# Allegro board T736_DEMO_CORE_AXP8191_LP4_4X_32X1_V0_5-draft.brd (continued)
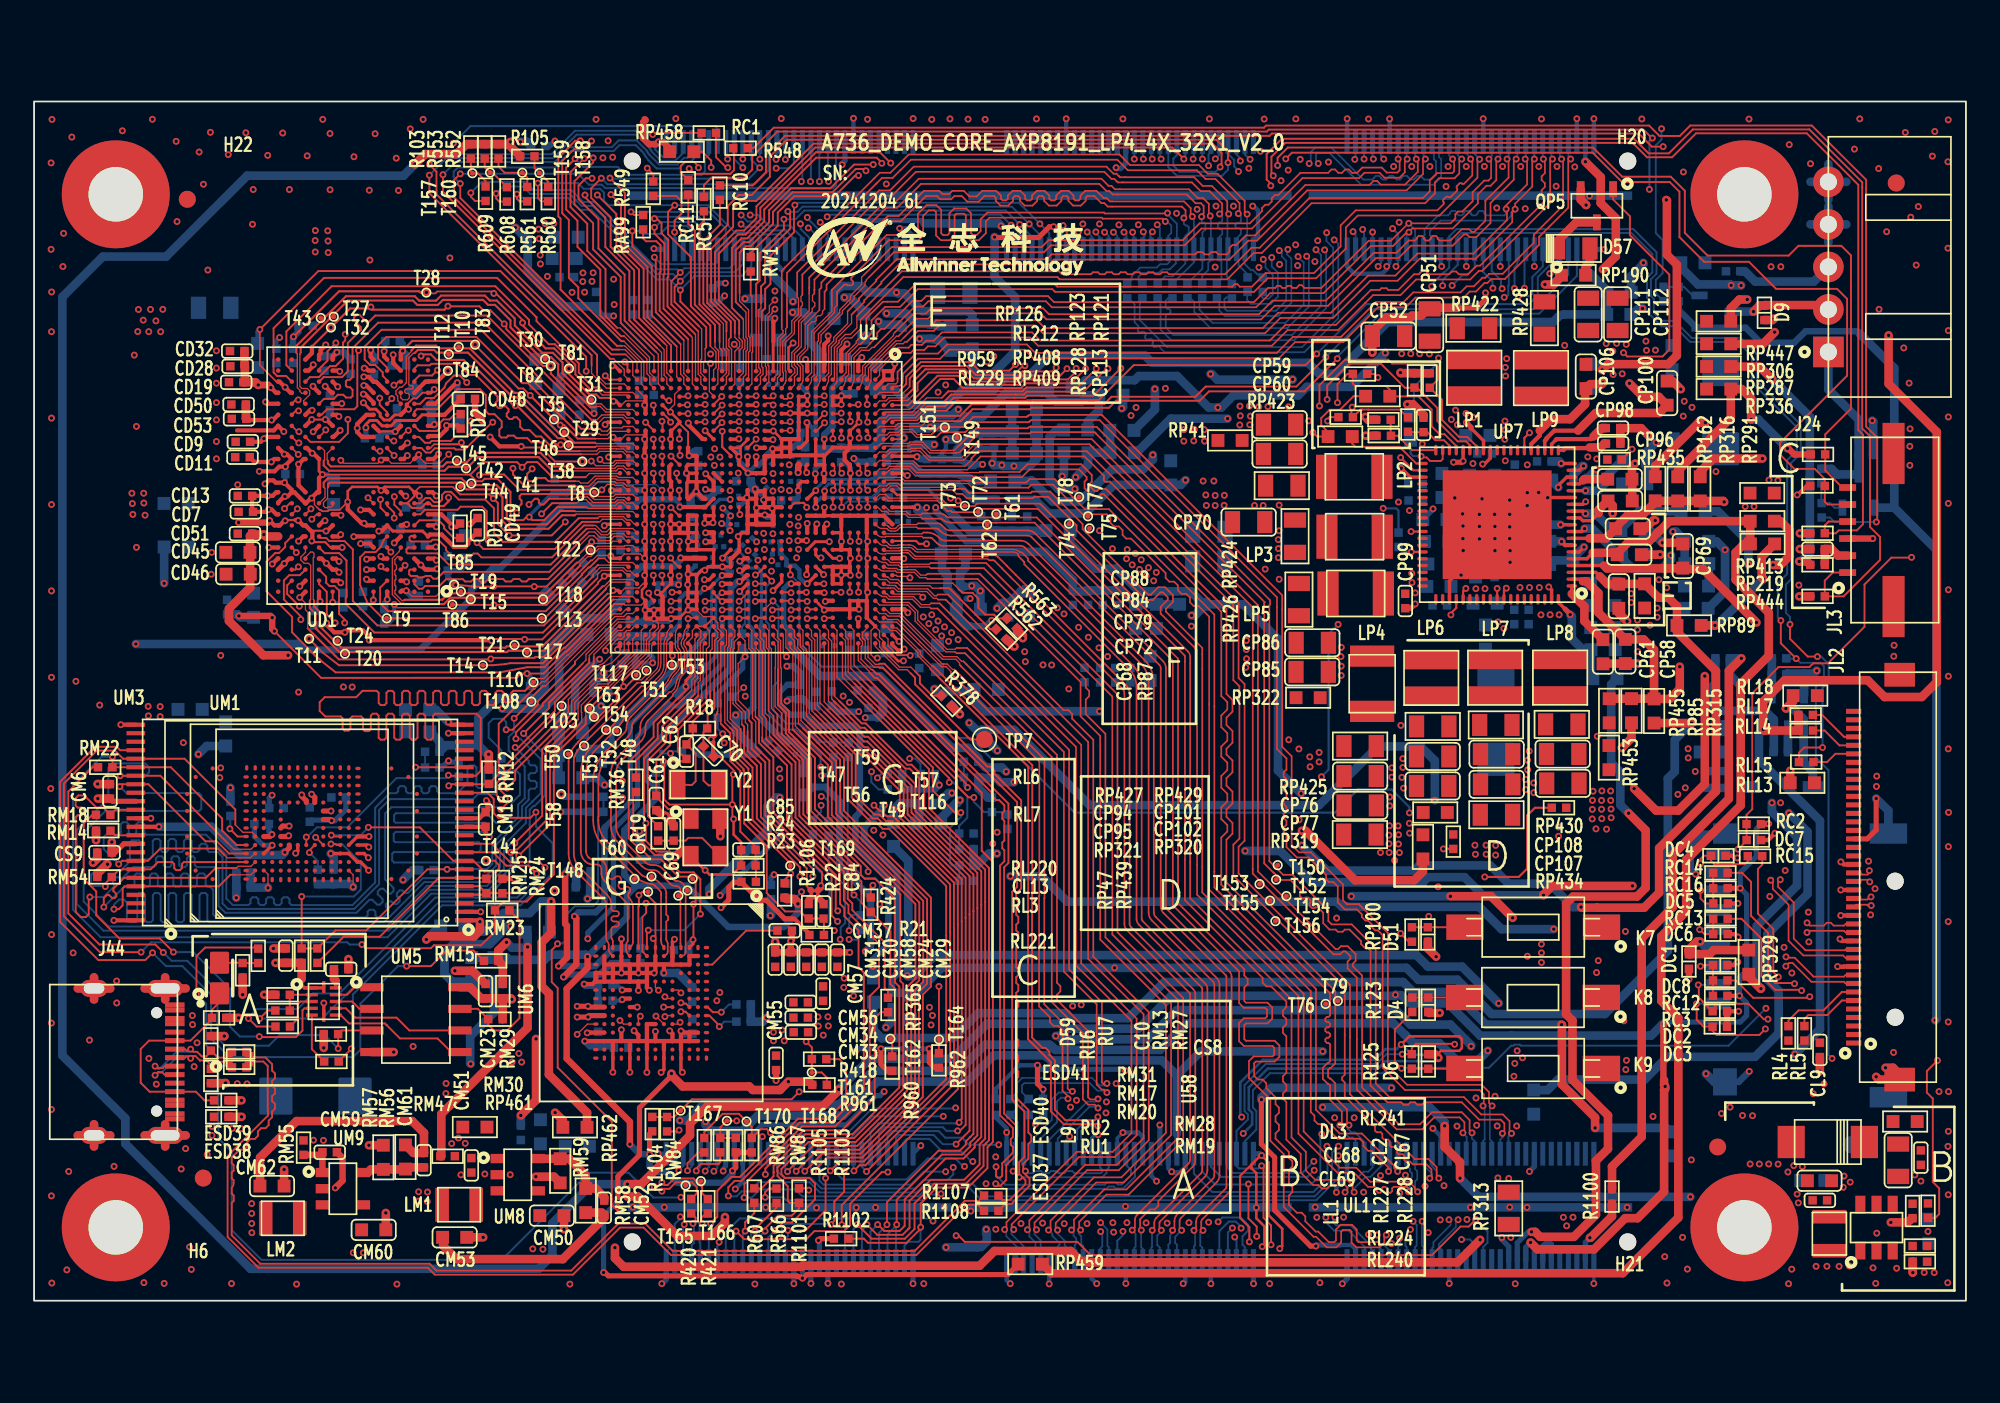
[diagram p0: board, top side]
## Copper pours and planes (outline as drawn; the poured copper is in the pictures) (continued)
N21636269 on BOTTOM: 21.79,6.87 21.79,5.65 22.21,5.23 28.73,5.23 31.75,8.25 31.75,9.51 31.57,9.69 26.87,9.69 25.07,7.9 22.82,7.9
N21636444 on TOP: 25.65,6.73 27.59,6.73 27.65,6.66 27.65,5.02 27.26,4.63 25.62,4.63 25.55,4.7 25.55,6.62
N21636500 on TOP: 24.61,8.86 27.47,8.86 27.66,8.67 27.66,8.1 27.64,8.07 24.59,8.07 24.46,8.2 24.46,8.71
N23290202 on TOP: 15.37,6 17.18,6 17.32,5.87 17.32,3.56 17.18,3.42 15.36,3.42 15.2,3.58 15.2,5.83
N23494472 on TOP: 104.45,3.22 106.21,3.22 106.52,3.53 107.36,3.53 107.41,3.49 107.41,1.86 107.24,1.69 104.59,1.69 104.29,1.99 104.29,3.07
N23494472 on TOP: 100.54,10.37 103.96,10.37 104.17,10.16 104.17,8.29 104.17,8.29 104.17,7.88 104.02,7.73 100.56,7.73 100.38,7.91 100.38,10.22
N23494472 on L3: 106.94,1.74 106.87,1.67 104.16,1.67 103.96,1.86 103.96,7.49 103.67,7.78 100.63,7.78 100.53,7.88 100.53,8.79 101.98,10.24 106.06,10.24 106.94,9.36
N23494527 on TOP: 108.72,3.6 110.57,3.6 110.63,3.54 110.63,2.97 110.54,2.88 109.87,2.88 109.35,2.36 108.77,2.36 108.69,2.45 108.69,3.57
N23494551 on TOP: 105.1,7.18 105.1,5.7 104.46,5.06 104.46,4.59 104.61,4.43 106.06,4.43 106.58,4.96 107.29,4.96 107.62,5.28 107.62,6.53 106.53,7.62 105.54,7.62
N23494551 on BOTTOM: 104.82,7.55 104.82,6.52 104.91,6.44 106.68,6.44 106.93,6.7 106.93,7.45 106.79,7.6 104.88,7.6
N23494639 on TOP: 108.68,6.27 108.68,5.18 108.74,5.11 109.58,5.11 109.92,5.45 111.67,5.45 111.77,5.56 111.77,6.2 111.61,6.37 108.78,6.37

Small or netless copper shapes (teardrops, artwork), in the pictures only: 1 on BOTTOM

## Text on the board
Ref Des/Silkscreen Bottom: TF-SLOT | A | C | B
Ref Des/Silkscreen Top: 20241204 6L | SN: | A736_DEMO_CORE_AXP8191_LP4_4X_32X1_V2_0 | A | G | E | C | D | F | B
